# Altium PCB PCB7b.PcbDoc (part 1 of 2)
Units mm, origin at the board's own origin, x right, y up, seen from the top; angles counter-clockwise.
Board outline 80 x 75 mm, 4 copper layers (Top Layer, Ground, Power, Bottom Layer), stack 0.603 mm thick; 87 components, 98 nets, 356 pads, 223 vias.
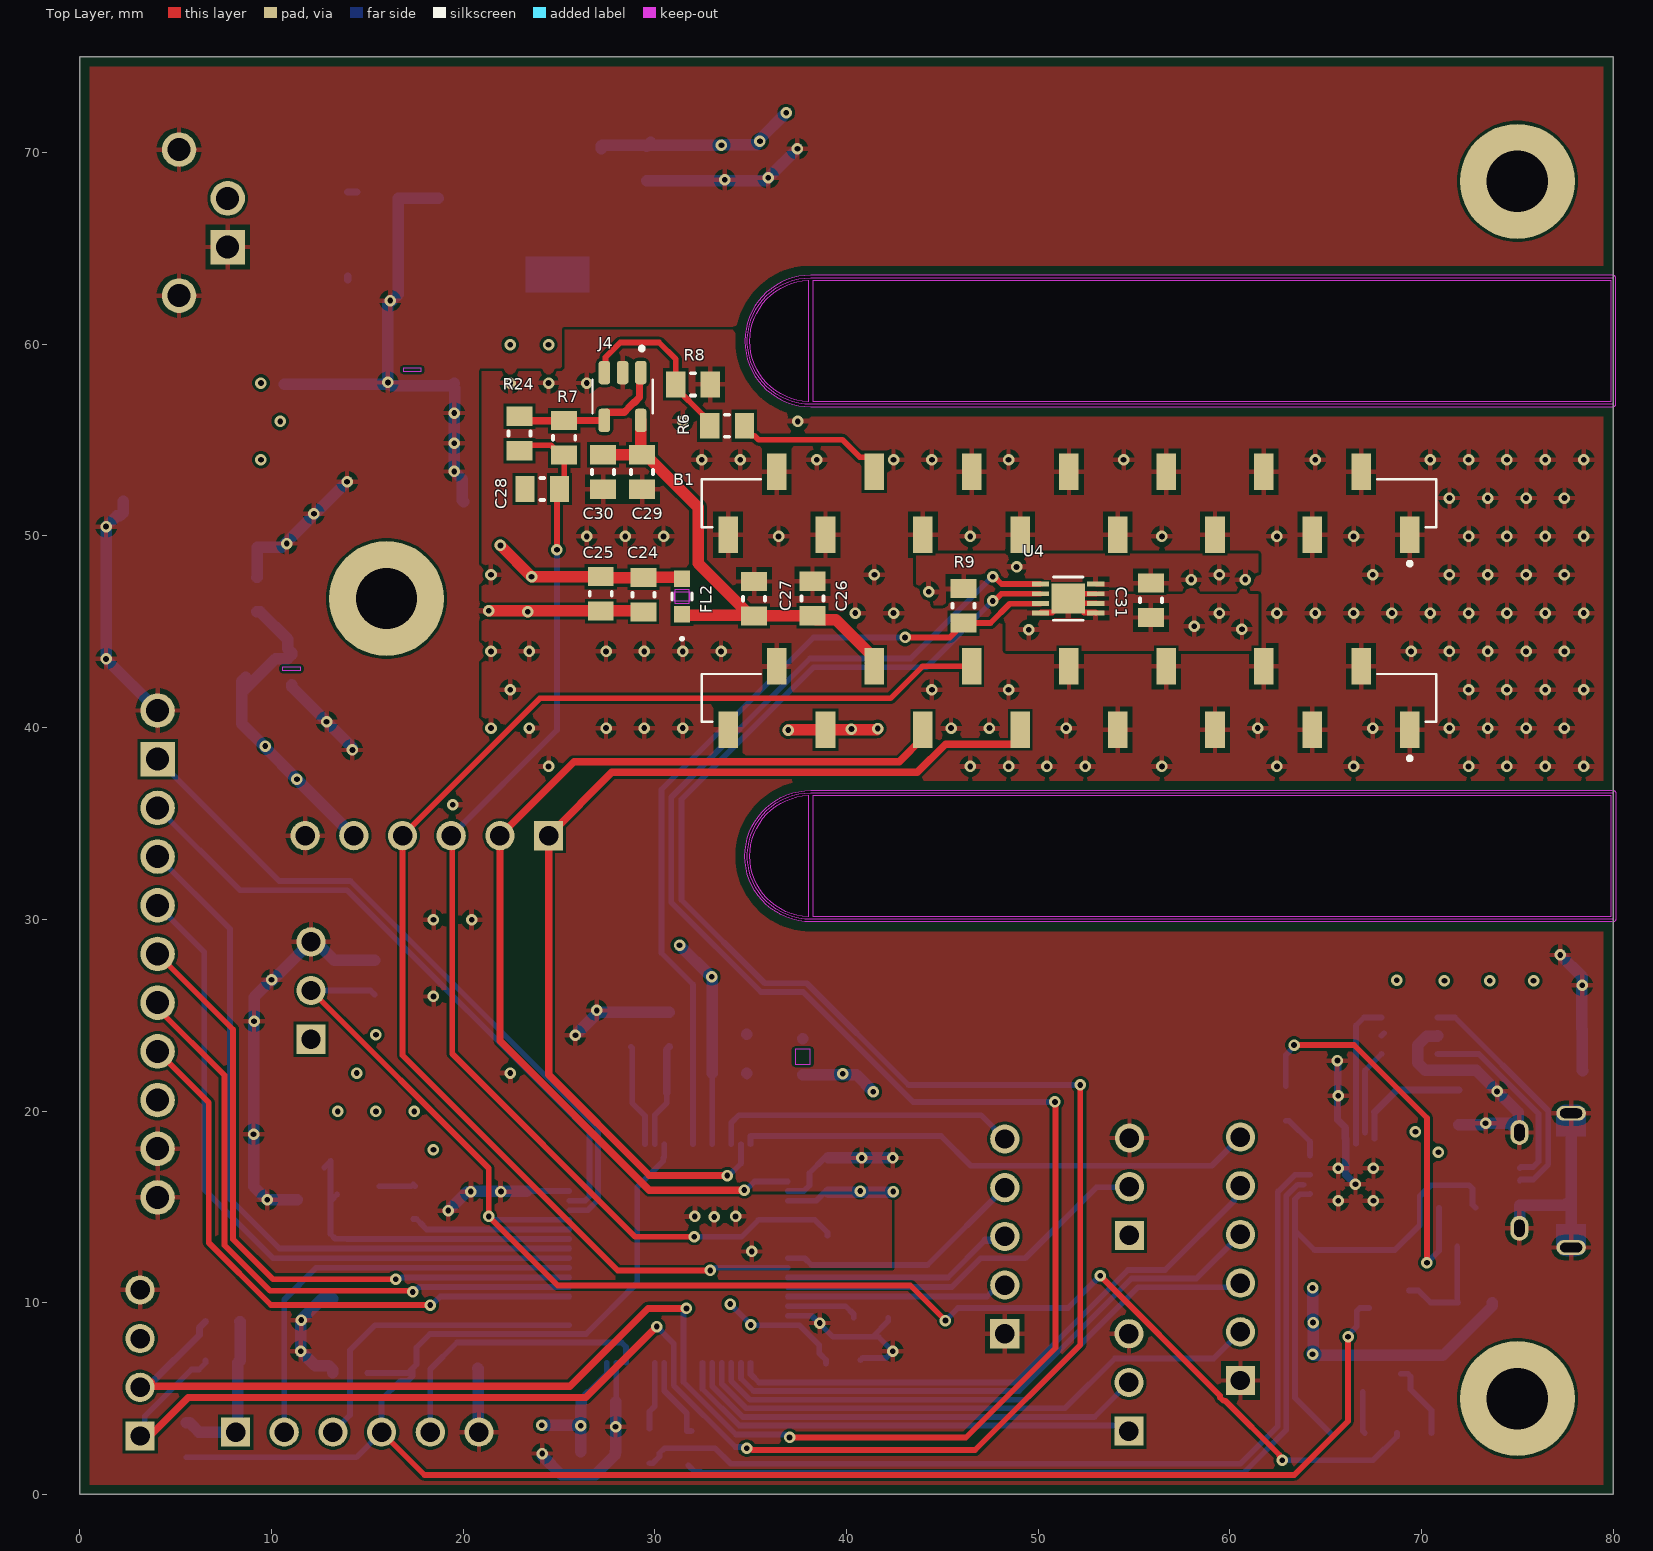
[diagram p0: Top Layer view]
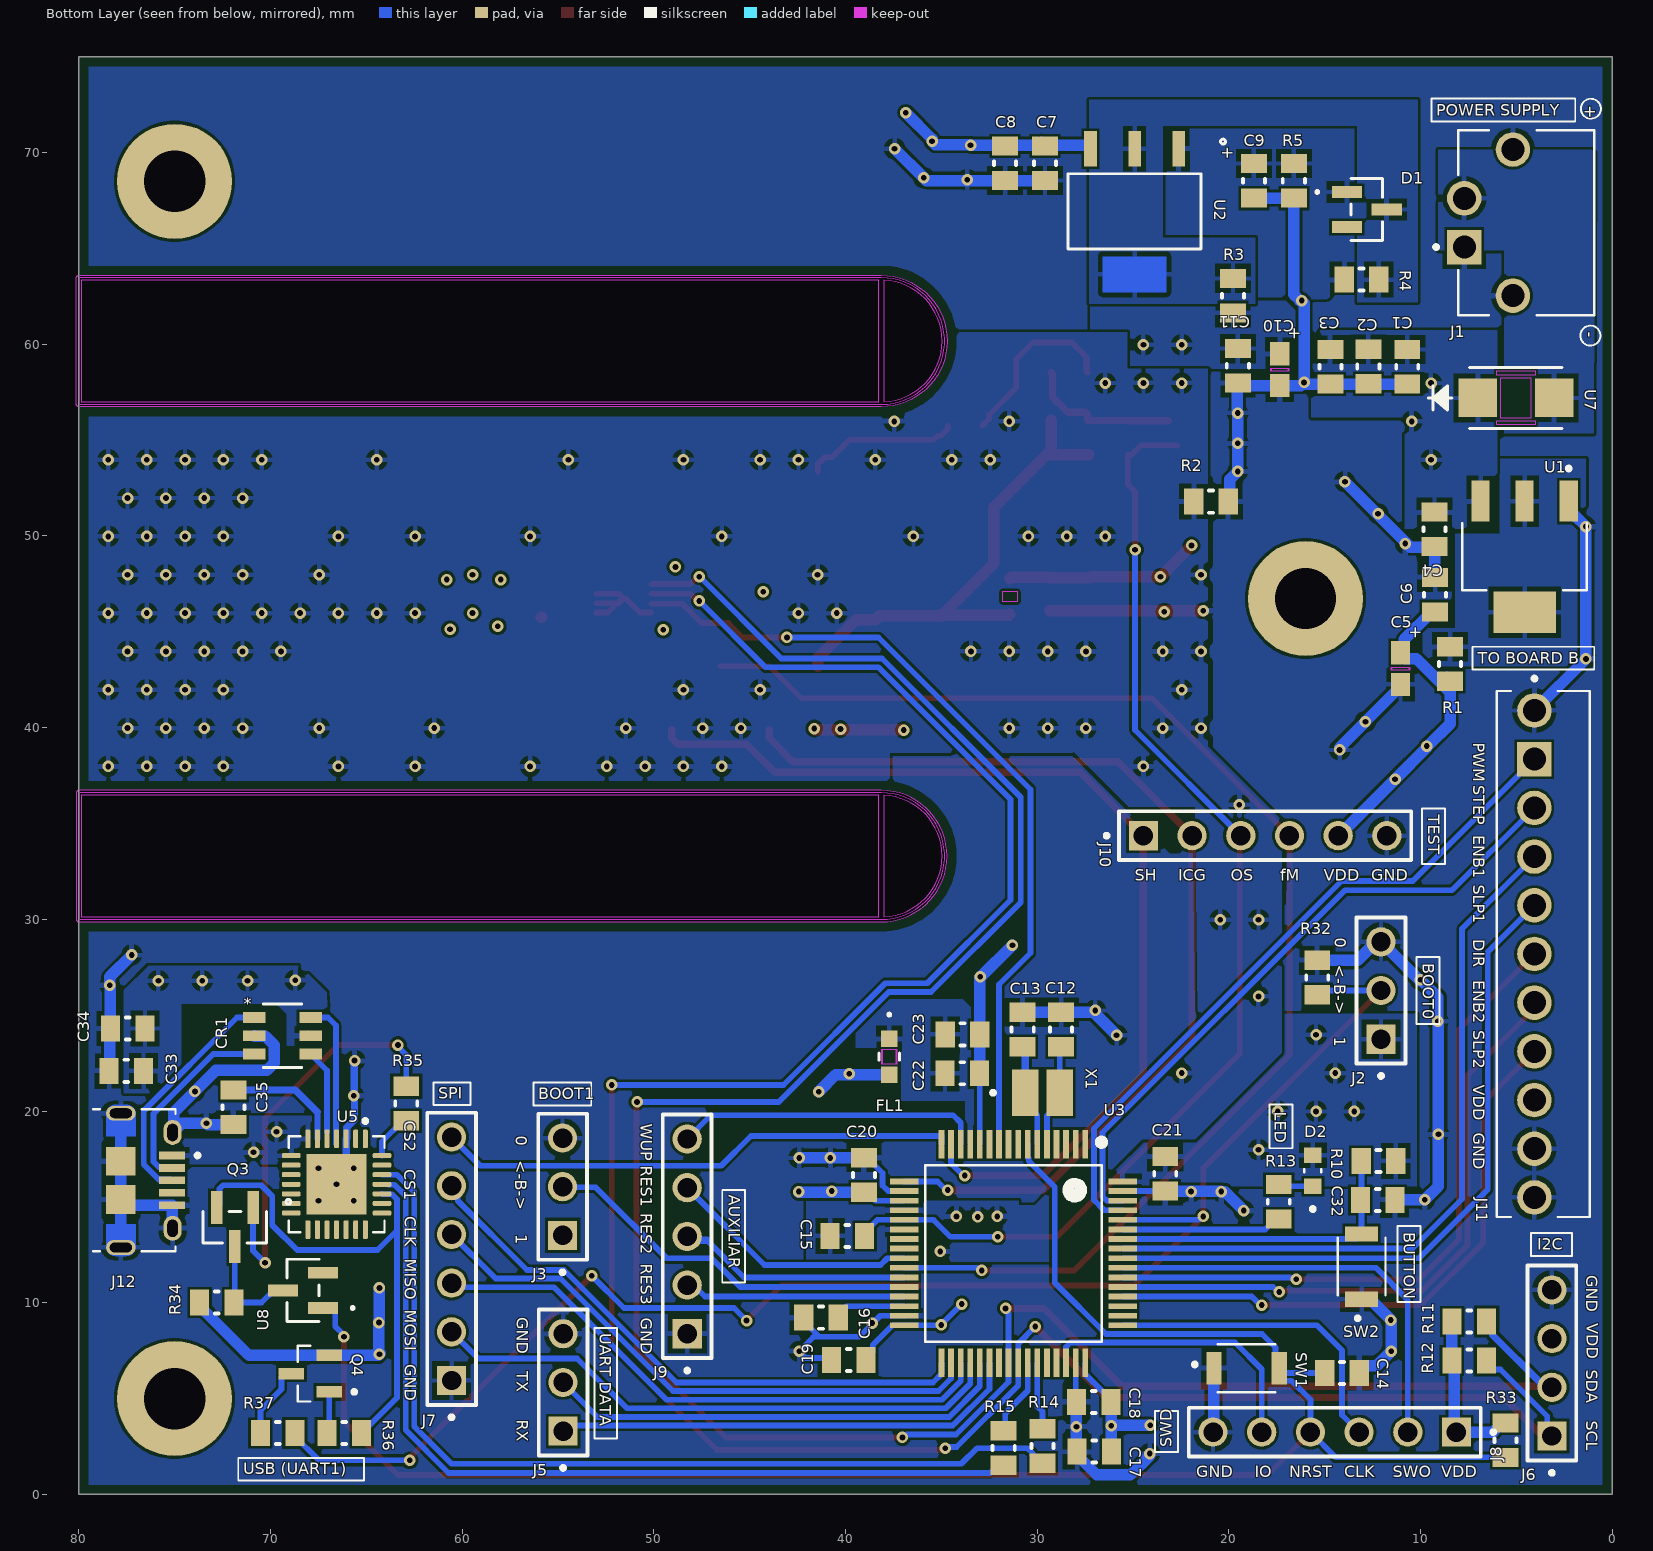
[diagram p1: Bottom Layer view, seen from below]
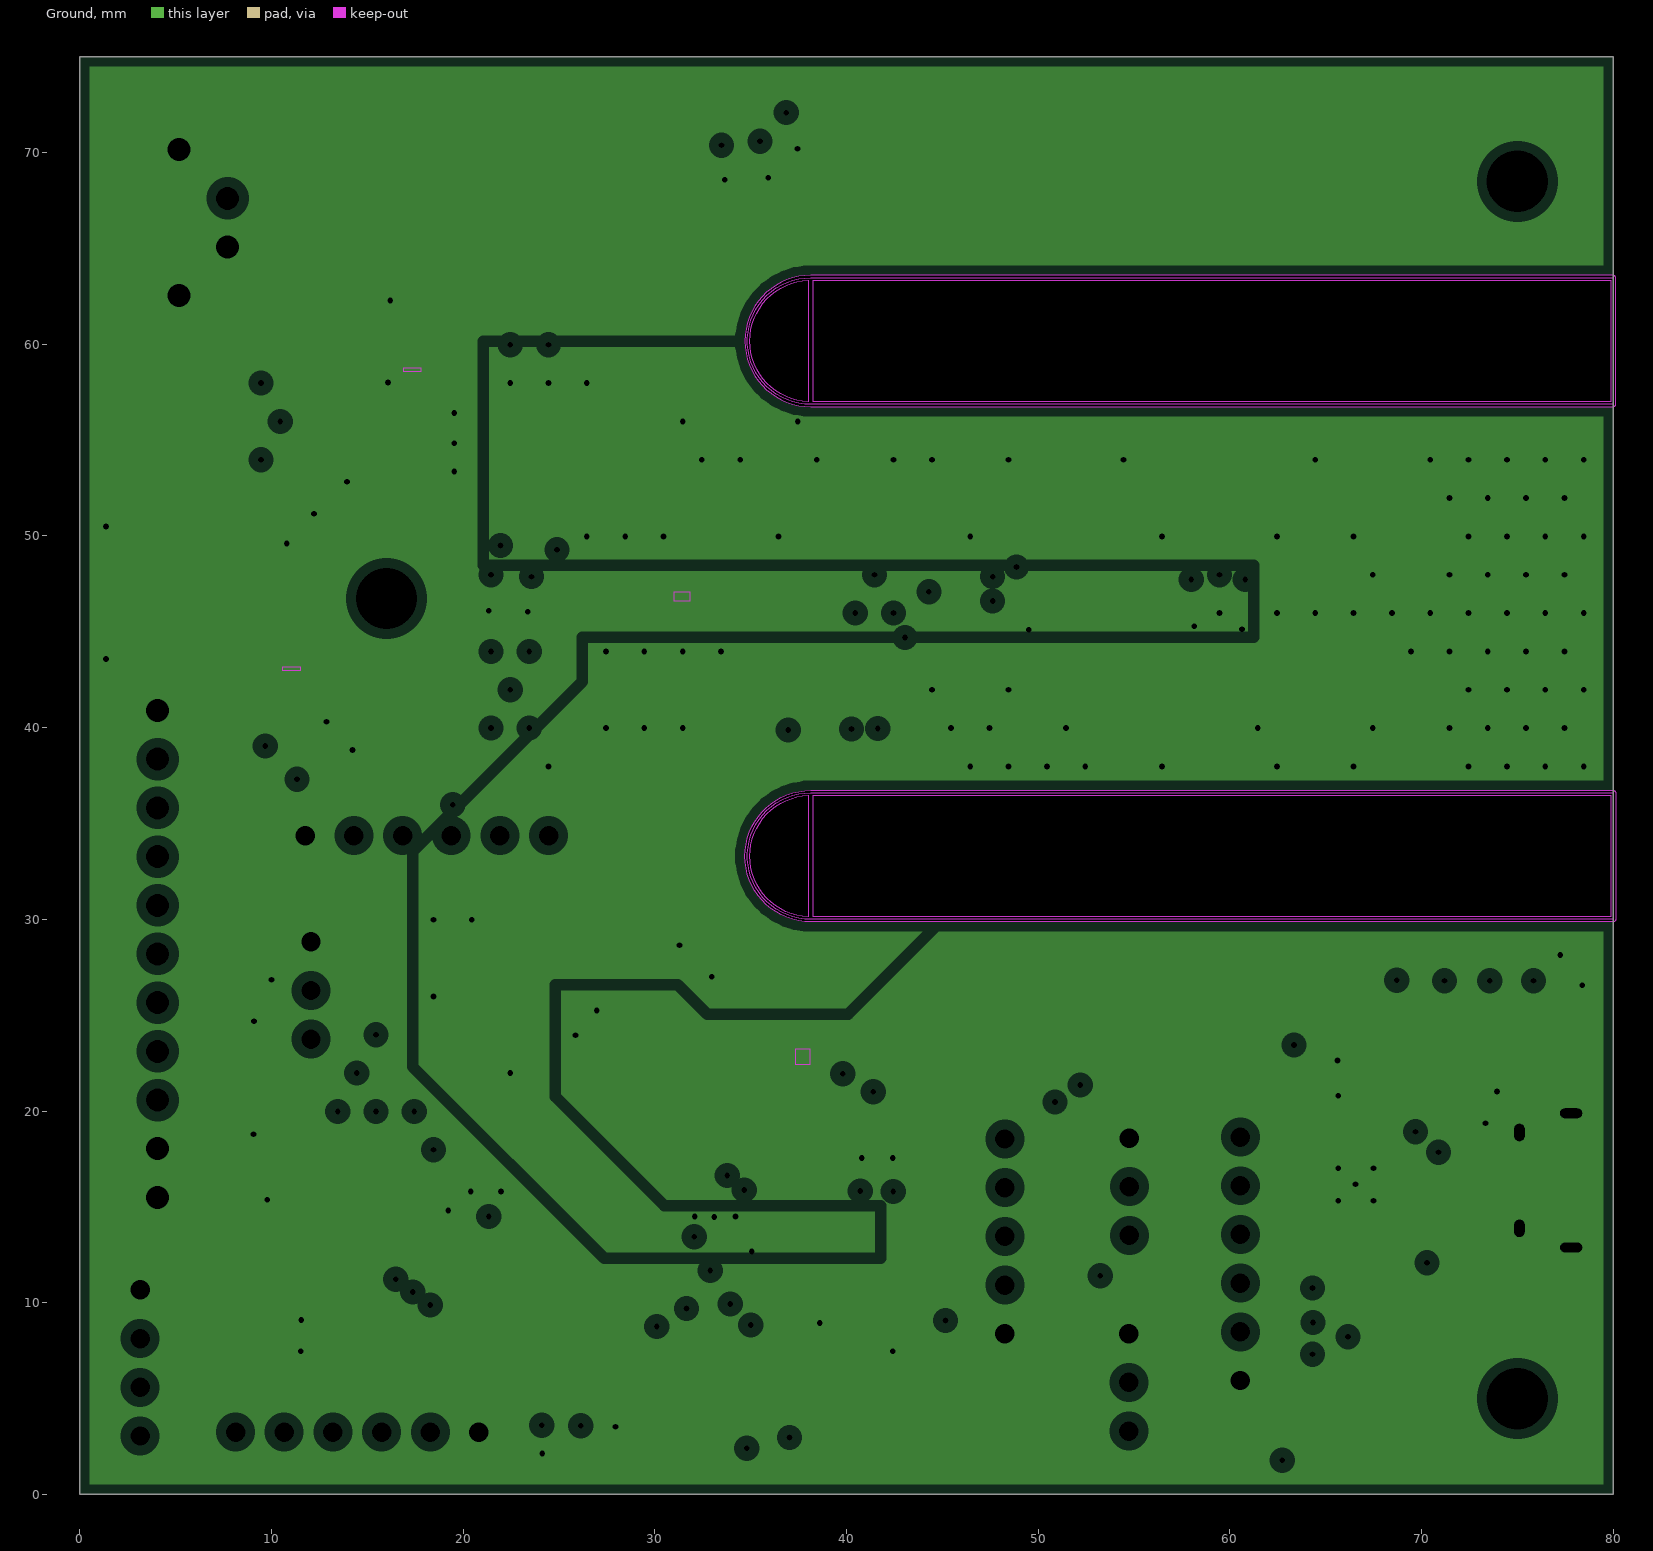
[diagram p2: Ground, clearances drawn from the general rule]
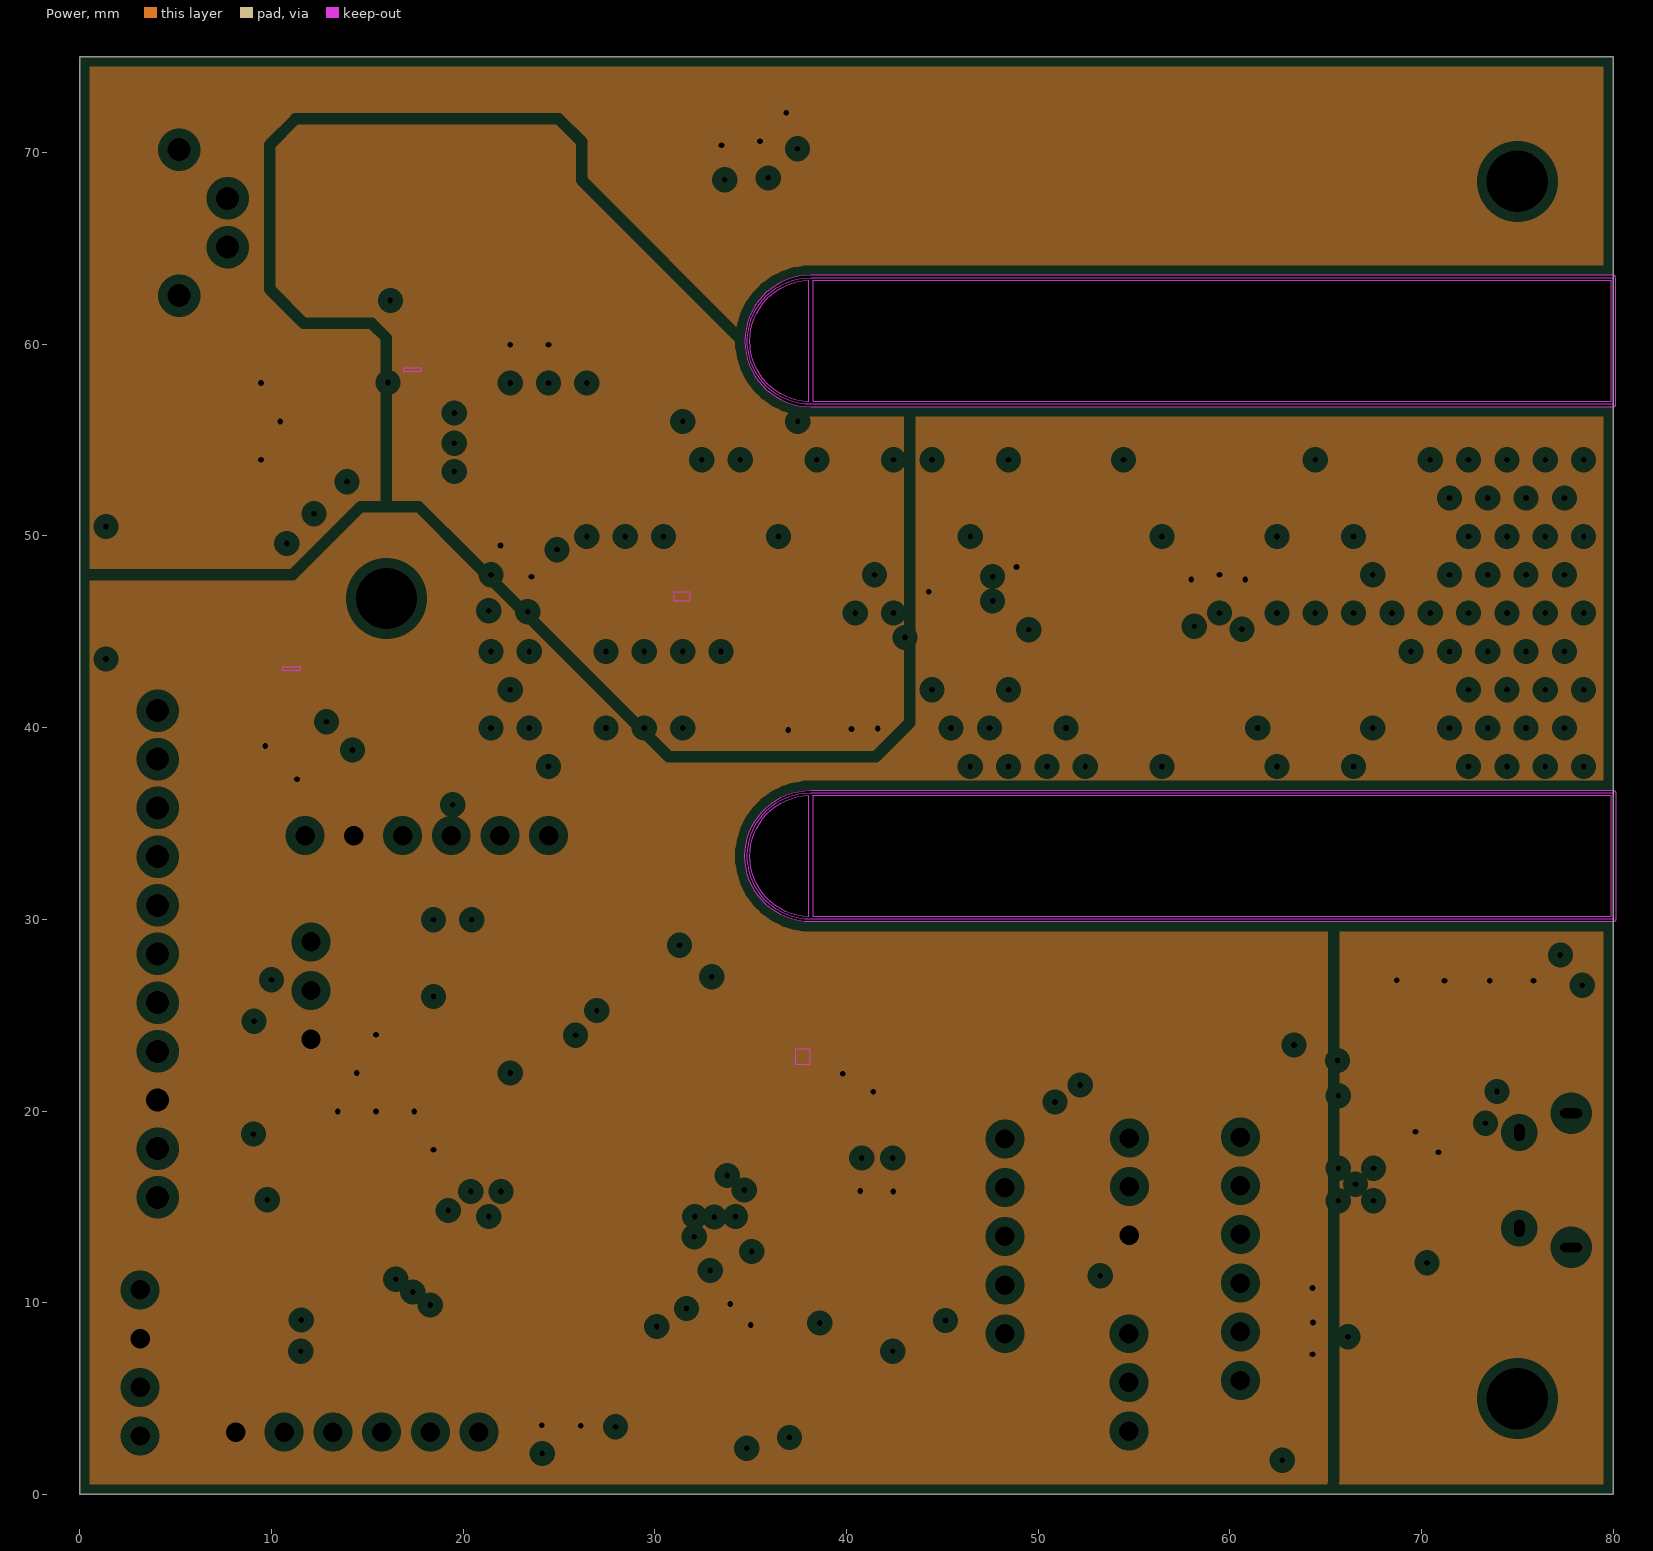
[diagram p3: Power, clearances drawn from the general rule]

## Layer stack, top to bottom
Top Solder: solder mask 0.0102, Solder Resist, Dk 3.5
Top Layer: signal copper 0.0356
Dielectric 2: prepreg 0.0711, PP-006, Dk 4.1
Ground: plane copper 0.035, net (Multiple Nets)
Dielectric 1: dielectric 0.32, FR-4, Dk 4.8
Power: plane copper 0.035, net (Multiple Nets)
Dielectric 3: prepreg 0.0711, PP-006, Dk 4.1
Bottom Layer: signal copper 0.0356
Bottom Solder: solder mask 0.0102, Solder Resist, Dk 3.5

## Board outline
0,0 0,75 80,75 80,0
cut-out: 38.13,29.873 cw(c38.13,33.3) 38.13,36.727 80,36.727 cw(c80,36.6) 80.127,36.6 80.127,30 cw(c80,30) 80,29.873
cut-out: 38.003,30.13 cw(c38.13,33.3) 38.003,36.47
cut-out: 38.13,30 cw(c38.13,33.3) 38.13,36.6 80,36.6 80,30
cut-out: 38.003,57 cw(c38.13,60.17) 38.003,63.34
cut-out: 38.13,56.743 80,56.743 ccw(c80,56.87) 80.127,56.87 80.127,63.47 ccw(c80,63.47) 80,63.597 38.13,63.597 ccw(c38.13,60.17)
cut-out: 38.13,56.87 cw(c38.13,60.17) 38.13,63.47 80,63.47 80,56.87
cut-out: 79.873,30.127 38.257,30.127 38.257,36.473 79.873,36.473
cut-out: 79.873,56.997 38.257,56.997 38.257,63.343 79.873,63.343

## Design rules (kind name [scope] priority, off if disabled: settings)
BoardOutlineClearance [All] p1: gap=0.5 ignorepadtopadclearanceinfootprint=FALSE
Clearance Clearance_Jumper [InComponent('SB*')] p1: gap=0 ignorepadtopadclearanceinfootprint=TRUE
Clearance Clearanse_Temp_Sensor [InComponent('U4')] p2: gap=0.1 ignorepadtopadclearanceinfootprint=FALSE
Clearance Clearance_bridges [All vs InComponent('SB4_MD1') OR InComponent('SB5_MD1') OR InComponent('SB6_MD1') OR InComponent('SB4_MD2') OR InComponent('SB5_MD2') OR InComponent('SB6_MD2')] p3: gap=0.05 ignorepadtopadclearanceinfootprint=FALSE
Clearance [All] p4: gap=0.15 ignorepadtopadclearanceinfootprint=FALSE
PlaneClearance [All] p1: clearance=0.508
PlaneConnect [All] p1: planeconnectstyle=Relief reliefexpansion=0.508 reliefentries=4 reliefconductorwidth=0.254 reliefairgap=0.254
PolygonConnect PolygonConnect_1 [InNet('NetD3_3') OR InNet('NetC34_2') OR InNet('NetQ1_1') OR InNet('VBB2') OR InNet('AGND') OR InNet('GND') OR InNet('VCC') OR InNet('VTCD') OR InNet('VDD') OR InNet('NetR5_1') OR InNet('NetC7_2')] p1 off: connectstyle=Direct reliefconductorwidth=0.254 reliefentries=4 polygonreliefangle="90 Angle" airgapwidth=0.254
PolygonConnect [All] p2: connectstyle=Relief reliefconductorwidth=0.254 reliefentries=4 polygonreliefangle="90 Angle" airgapwidth=0.254
RoutingVias [All] p1: holewidth=0.6 width=1 viastyle="Through Hole" minholewidth=0.3 minwidth=0.5 maxholewidth=0.3 maxwidth=0.6
ShortCircuit ShortCircuit_bridges [All vs InComponent('SB*')] p1: allowed=TRUE
ShortCircuit [All] p2: allowed=FALSE
SolderMaskExpansion [All] p1: expansion=0.102 istentingtop=FALSE
SupplyNets "Schematic Supply Nets_6" [InNet('VUSB')] p1: voltage=0.000
SupplyNets "Schematic Supply Nets_3" [InNet('PGND2')] p2: voltage=0.000
SupplyNets "Schematic Supply Nets_12" [InNet('VDD2')] p3: voltage=0.000
SupplyNets "Schematic Supply Nets_10" [InNet('GND2')] p4: voltage=0.000
SupplyNets "Schematic Supply Nets_9" [InNet('VBB2')] p5: voltage=0.000
SupplyNets "Schematic Supply Nets_8" [InNet('VTCDA')] p6: voltage=0.000
SupplyNets "Schematic Supply Nets_7" [InNet('VDD')] p7: voltage=0.000
SupplyNets "Schematic Supply Nets_5" [InNet('AGND')] p8: voltage=0.000
SupplyNets "Schematic Supply Nets_4" [InNet('GND')] p9: voltage=0.000
SupplyNets "Schematic Supply Nets_2" [InNet('VDDA')] p10: voltage=0.000
SupplyNets "Schematic Supply Nets_1" [InNet('VCC')] p11: voltage=0.000
SupplyNets "Schematic Supply Nets" [InNet('VTCD')] p12: voltage=0.000
Width Width_Power [InNetClass('Power_Class')] p1: maxlimit=0.6 minlimit=0.3 preferedwidth=0.6
Width Width_bridges [InComponent('SB4_MD1') OR InComponent('SB5_MD1') OR InComponent('SB6_MD1') OR InComponent('SB4_MD2') OR InComponent('SB5_MD2') OR InComponent('SB6_MD2')] p2: maxlimit=0.254 minlimit=0.15 preferedwidth=0.2
Width Width_motores [InNet('VBB')] p3: maxlimit=2 minlimit=0.5 preferedwidth=1
Width [All] p4: maxlimit=1 minlimit=0.2 preferedwidth=0.25
27 further rules are at their usual default settings.

## Classes and differential pairs
component class U_Sensor: B1 C24 C25 C26 C27 C28 C29 C30 C31 FL2 J4 R6 R7 R8 R9 R24 U4
component class U_Power: C1 C2 C3 C4 C5 C6 C7 C8 C9 C10 C11 D1 J1 R1 R2 R3 R4 R5 U1 U2 U7
component class U_Out: C32 C33 C34 C35 CR1 D2 J5 J6 J7 J8 J9 J10 J11 J12 Q3 Q4 R10 R11 R12 R13 R14 R15 R34 R35 R36 R37 SW2 U5 U8
component class U_Microcontroller: C12 C13 C14 C15 C16 C17 C18 C19 C20 C21 C22 C23 FL1 J2 J3 R32 R33 SW1 U3 X1
